# Altium PCB 平衡车驱动板.PcbDoc (continued)
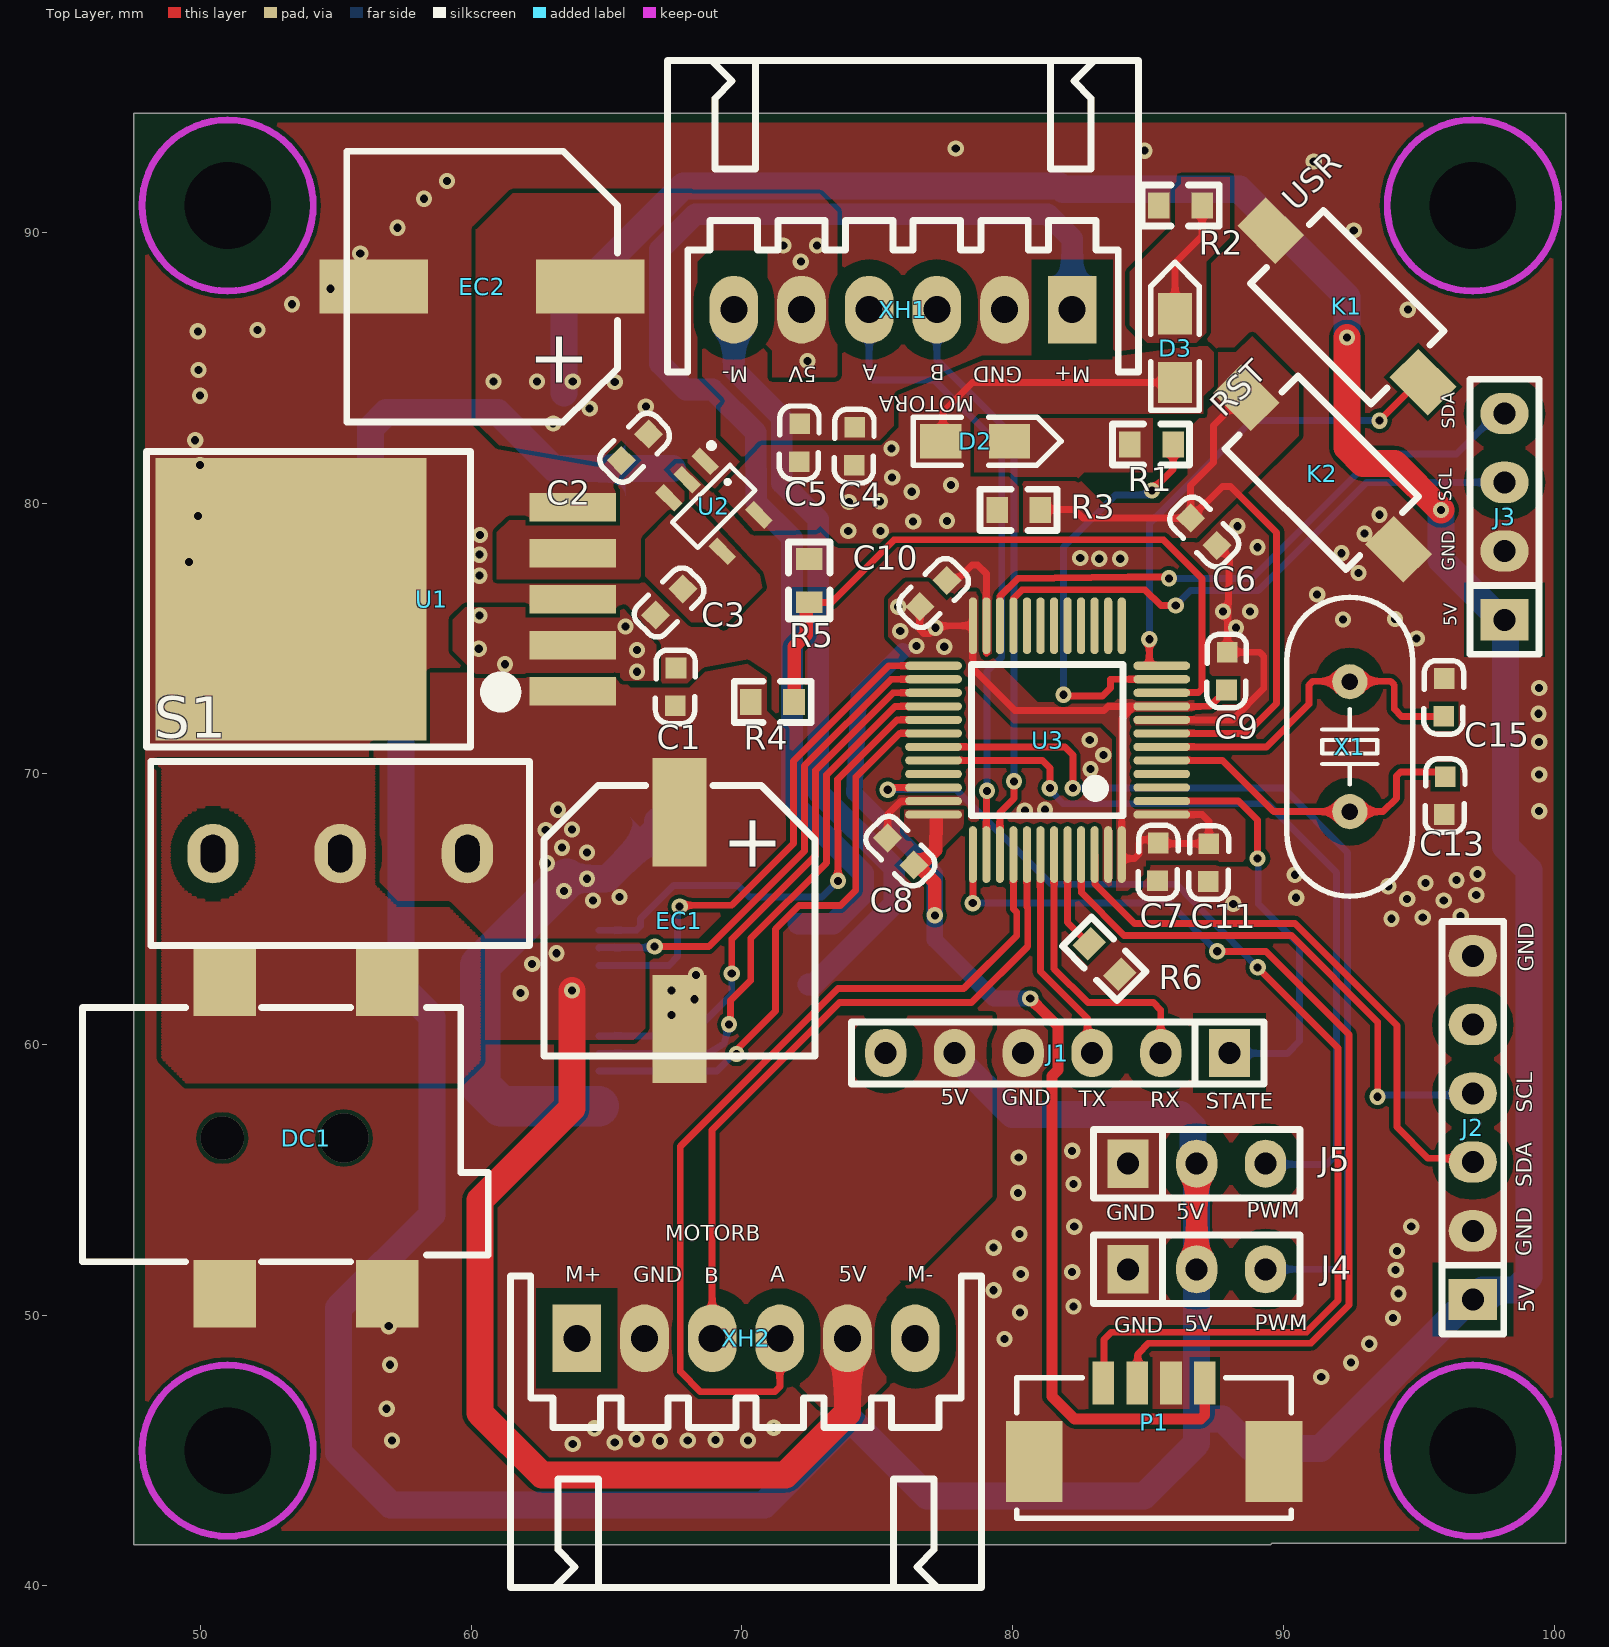
[diagram p0: Top Layer view]
## Footprints (in the part's own frame and the unit in brackets; to place one, negate y for a bottom-side part, rotate by r counter-clockwise, add the part's x,y. Pads: shape width x height; smd on the part's side, far side on the other; paste and mask are expansions set on the pad) (continued)
"OSC HC-49S" [mm]
  round 1.3 hole 0.6: 1(-2.4,0) 2(2.4,0)
  silkscreen extent -5.52,-2.32 5.52,2.33, body extent -5.53,-2.29 5.53,2.36, height 4.13
"Pin HDR1X3/2.54mm-S" [mil]
  rect 70x60 hole 32: 1(0,0)
  oval 70x60 hole 32: 2(0,-100) 3(0,-200)
  silkscreen extent -50,-250 50,50, body extent -50,-250 50,50, height 336
SMD-3X6X2.5 [mm]
  rect 2x1.5 smd: 1(-0.059,-0.02) 3(7.874,0)
  silkscreen extent 0.73,-1.9 7.03,1.9, body extent -0.19,-1.78 7.81,1.72, height 2.59
SMD-EC10X10X10 [mm]
  rect 4x2 smd: 1(8,0) 2(0,0)
  silkscreen extent -1,-5 9,5, body extent -1.86,-5.12 9.74,5.18, height 10.2
SOD-123 [mm] "塑封二极管"
  rect 0.8x1 smd: A(-0.051,0) K(3.607,0)
  silkscreen extent 0.38,-0.85 3.18,0.85, body extent -0.12,-0.89 3.73,0.81, height 1.43
SOT23-5L [mm]
  rect 0.45x1 smd: 1(-0.95,-1.4) 2(0,-1.4) 3(0.95,-1.4) 4(0.95,1.4) 5(-0.95,1.4)
  silkscreen extent -1.6,-1.73 1.5,0.66, body extent -1.5,-1.4 1.5,1.4, height 1.15
SS-12D10 [mm]
  oval 1.9x2.2 hole 1.4 slot 0.9 at 0 deg: 1(-4.7,0) 2(0,0) 3(4.699,0)
  silkscreen extent -7,-3.4 7,3.4, body extent -6.95,-3.15 7.05,3.05, height 9.65
TAJ-B/3528 [mil]
  rect 78.74x100 smd: 1(-51.15,-4) 2(57,-4)
  silkscreen extent -110,-70 115,65, body extent -64,-60 74,50, height 75
TB6612-SSOP-24 [mm]
  oval 0.308x1.324 smd mask+0.051: 1(-3.575,-3.562) 2(-2.925,-3.562) 3(-2.275,-3.562) 4(-1.625,-3.562) 5(-0.975,-3.562) 6(-0.325,-3.562) 7(0.325,-3.562) 8(0.975,-3.562) 9(1.625,-3.562) 10(2.275,-3.562) 11(2.925,-3.562) 12(3.575,-3.562) 13(3.575,3.562) 14(2.925,3.562) 15(2.275,3.562) 16(1.625,3.562) 17(0.975,3.562) 18(0.325,3.562) 19(-0.325,3.562) 20(-0.975,3.562) 21(-1.625,3.562) 22(-2.275,3.562) 23(-2.925,3.562) 24(-3.575,3.562)
  silkscreen extent -4.33,-3.71 3.94,2.67
TO263-5A [mm] "263，5脚晶体管"
  rect 1.05x3.2 smd: 1(-3.4,0) 2(-1.7,0) 3(0,0) 4(1.7,0) 5(3.4,0)
  rect 10.45x10 smd: 3(0,10.414)
  silkscreen extent -5.46,2.29 5.46,15.75, body extent -5.05,0.45 4.95,13.78, height 4.5
XH6/2.54mm/90 [mm]
  rect 1.8x2.5 hole 1: 1(0,0)
  oval 1.8x2.5 hole 1: 2(2.5,0) 3(5,0) 4(7.5,0) 5(10,0) 6(12.5,0)
  silkscreen extent -2.45,-9.2 14.95,2.3, body extent -2.45,-9.2 14.95,2.3, height 6.1

## Part data
C1 C2 C3 C4 C5 C6 C7 C8 C9 C10 C11 C12 C13 C14 C15: library part CAP, "无极性电容"
D1: library part "DIODE SCHOTTKY", "肖特基二极管"
EC1 EC2: library part SMD_ECAP, "贴片电解电容"
J1 J2: library part "Female HDR1X6"
J3: library part "Female HDR1X4"
J4 J5: library part "Pin HDR1X3"
L1: library part INDUCTOR, "INDUCTOR"
P1: "MOLEX_0532610471,4Pin,1.25mm"
R1 R2 R3 R4 R5 R6: library part RES
TC1: library part TCAP, "钽电容"
U1: "DC降压芯片"
U2: "5Vת3.3V"
U4: "双电机驱动"
X1: library part XTAL-2P, "2脚无源脚晶振"
XH1 XH2: library part XH6

## Free pads (board coordinates)
  round 3 hole 3.2 unplated mask+1: ""(51,45) ""(51,91) ""(97,45) ""(97,91)

## Via types
v1: diameter 0.6, hole 0.3, Top Layer to Bottom Layer, tented both sides, 169 vias
v2: diameter 0.61, hole 0.305, Top Layer to Bottom Layer, tented both sides, 2 vias
v3: diameter 1.8, hole 1.8, Top Layer to Bottom Layer, 1 vias
v4: diameter 1.6, hole 1.6, Top Layer to Bottom Layer, 1 vias

## Nets (pads, with @x,y where several pads share a name; then routed paths per layer and width w, separated by ;. In a path a pad name is that pad's centre, name@x,y a point inside that pad or via, vN(x,y) a via of type N, cw(c..) or ccw(c..) an arc to the next point about the centre after c; other vN are vias at no path point)
3V3: C4.2 C5.2 C7.2 C8.2 C9.2 C10.2 C11.2 D2.A D3.A P1.1 R3.1 U2.5 U3.1 U3.9 U3.24 U3.36 U3.48 | length 81.9
  Top Layer w0.254: C10.2 76.569,75.327 76.718,75.178 76.928,75.178 77.076,75.326 77.224,75.474 U3.24 78.53,73.895 80.079,72.346 83.37,72.346 83.521,72.497 U3.9 ; D2.A 77.425,82.378 77.425,83.375 77.55,83.5 78.51,84.46 D3.A ; U3.1 87.003,68.497 87.25,68.25 C11.2 85.397,67.425 C7.2 85.248,67.574 84.813,67.574 84.664,67.425 84.664,67.039 84.5,66.875 84.051,66.875 84.03,66.896 U3.48 84.03,72.027 84.492,72.488 85.498,72.488 U3.9 ; C9.2 87.3,72.5 86.945,72.5 86.933,72.488 85.516,72.488 U3.9
  Top Layer w0.4: v1(80.65,61.7) 81.675,60.675 81.675,59.06 81.45,58.835 81.45,47 82.28,46.17 86.951,46.17 87.1,46.319 P1.1
  Top Layer w0.5: v1(77.125,64.775) 77.125,65.991 76.482,66.634 76.609,66.634 77.157,67.182 77.175,68.3
  Bottom Layer w0.6: 75.942,74.533 74.317,72.908 74.15,69.3 77.125,66.325 v1(77.125,64.775) 77.125,63.875 79.3,61.7 v1(80.65,61.7)
  other v1: 77.475,74.7 76.45,74.725 75.85,75.275 77.15,75.4 75.775,76.175 73.925,78.975 75.125,78.975 76.325,79.325 77.575,79.35 73.95,80.05 75.1,80.075 76.275,80.425 77.725,80.675 75.55,80.95 75.525,82.025
5V: C2.2 C14.2 EC2.1 J1.5 J2.1 J3.1 J4.2 J5.2 L1.2 U1.4 U2.1 U2.3 U4.19 U4.20 XH1.5 XH2.5 | length 243.1
  Top Layer w0.8: J4.2 J5.2
  Top Layer w1: v1(63.725,62) 63.725,57.65 60.325,54.25 60.325,46.386 62.611,44.1 71.6,44.1 73.9,46.4 XH2.5 ; v1(92.35,86.125) 92.35,82.061 92.936,81.475 94.1,81.475 v1(95.825,79.75)
  Bottom Layer w1: 63.425,84.075 63.425,87.313 67.839,91.727 81.736,91.727 81.863,91.6 88.375,91.6 92.35,87.625 v1(92.35,86.125) ; L1.2 63.059,81.28 60.989,83.35 56.861,83.35 56.275,82.764 56.275,78.425 56.25,78.4 56.25,73 57.4,71.85 57.4,62.175 58.55,61.025 58.55,53.725 55.1,50.275 55.1,44.925 57.025,43 70.825,43 73.9,46.075 73.9,46.261 ; XH2.5 73.9,46.261 ; J1.5 77.851,59.563 79.989,57.425 86.193,57.425 86.661,56.956 86.661,55.739 J5.2 J4.2 86.8,46.17 ; v1(95.825,79.75) 95.825,77.911 98.044,75.692 J3.1 98.2,75.663 98.2,67.325 99.072,66.453 99.072,51.411 98.603,50.942 97.362,50.942 J2.1 96.873,50.58 91.368,45.075 88.85,45.075 87.755,46.17 86.8,46.17 ; 73.9,46.261 76.836,43.325 84.85,43.325 86.8,45.275 86.8,46.17
  other v1: 61.825,61.9 62.25,62.975 63.15,63.375 63.025,82.95 64.375,83.5 66.45,83.575 65.3,84.475 60.825,84.5 62.425,84.5 63.75,84.5 72.425,85.25 72.175,88.925 71.525,89.525 72.775,89.525
12V: C1.2 C12.2 EC1.1 R4.2 S1.1 TC1.1 U1.1 U4.13 U4.14 U4.24 | length 18
  Bottom Layer w1: 63.529,66.129 65.023,66.129 66.876,67.982 TC1.1
  Bottom Layer w1.5: 63.529,66.129 60.325,62.925 60.325,58.5 61.1,57.725 U4.13
  other v1: 64.5,65.325 65.475,65.45 63.425,65.675 64.276,66.129 62.8,66.7 64.275,67.1 63.35,67.275 62.75,67.925 63.725,67.95 63.2,68.675
ADC1: R4.1 R5.2 U3.10 | length 25.6
  Top Layer w0.254: R5.2 73.306,76.338 75.619,78.65 85.575,78.65 87,77.225 87,73.146 86.86,73.006 85.516,73.006 U3.10
  Top Layer w0.5: R4.1 71.925,74.7 72.375,75.15 72.375,76.225 R5.2
AIN1: U3.25 U4.21 | length 19.8
  Top Layer w0.254: v1(67.7,65.1) 67.75,65.15 69.625,65.15 71.9,67.425 71.9,70.472 75.425,73.997 U3.25
  Bottom Layer w0.254: U4.21 67.3,62.925 67.625,63.25 67.625,65.025 v1(67.7,65.1)
AIN2: U3.26 U4.22 | length 18.3
  Top Layer w0.254: v1(66.775,63.625) 68.775,63.625 72.306,67.156 72.306,70.304 75.499,73.497 U3.26
  Bottom Layer w0.254: U4.22 64.723,63.585 66.735,63.585 v1(66.775,63.625)
BIN1: U3.27 U4.17 | length 20.6
  Top Layer w0.254: v1(69.625,62.625) 69.625,63.901 72.712,66.988 72.712,70.135 75.574,72.997 U3.27
  Bottom Layer w0.254: U4.17 68.075,60.325 69.625,61.875 v1(69.625,62.625)
BIN2: U3.28 U4.16 | length 21.2
  Top Layer w0.254: v1(69.525,60.75) 69.575,60.8 69.575,61.625 70.325,62.375 70.325,63.925 73.118,66.718 73.118,69.967 75.648,72.497 U3.28
  Bottom Layer w0.254: U4.16 68.741,59.675 69.345,60.035 v1(69.525,60.75)
GND: C1.1 C2.1 C3.1 C4.1 C5.1 C6.1 C7.1 C8.1 C9.1 C10.1 C11.1 C12.1 C13.1 C14.1 C15.1 D1.A DC1.2 DC1.3 EC1.2 EC2.2 J1.4 J2.2 J2.6 J3.2 J4.1 J5.1 K1.3 K2.3 P1.2 P1.SH R2.2 R5.1 R6.2 TC1.2 U1.3 U1.5 U2.2 U3.8 U3.23 U3.35 U3.47 U4.3 U4.4 U4.9 U4.10 U4.18 XH1.2 XH2.2 | length 18.9
  Top Layer w0.254: C8.1 75.385,68.507 75.866,68.988 77.07,68.988 U3.35 ; C10.1 77.934,77.15 78.499,77.715 78.71,77.715 79.03,77.395 U3.23 79.039,75.465 U3.23@79.039,74.459 ; U3.8 88.122,71.997 89.275,73.15 89.275,74.348 89.126,74.497 C9.1 88.012,77.977 C6.1 C6.1@87.545,78.085
  other v1: 63.75,45.25 65.3,45.3 66.975,45.35 57.075,45.375 68,45.375 70.225,45.375 69.025,45.4 66.1,45.425 64.55,45.825 71.175,45.85 56.875,46.55 91.4,47.725 57,48.175 92.5,48.25 93.175,48.95 79.7,49.125 56.95,49.6 94.05,49.9 80.275,50.1 82.25,50.325 94.25,50.8 79.3,50.925 80.3,51.525 82.2,51.6 94.15,51.675 94.2,52.375 79.3,52.5 80.25,53 82.275,53.275 94.725,53.275 80.2,54.525 82.25,54.85 80.225,55.825 82.2,56.075 67.4,61.1 68.25,61.675 67.4,62 68.3,62.575 94,64.65 95.15,64.7 96.55,64.75 88.15,65.2 95.925,65.325 94.575,65.375 90.475,65.425 97.125,65.525 93.875,65.85 95.25,65.975 96.4,66.075 90.425,66.275 97.175,66.3 99.45,68.625 80.45,68.65 81.2,68.675 99.45,69.975 82.875,70.175 83.35,70.7 99.45,71.175 82.85,71.25 99.425,72.225 99.45,73.175 94.925,75 88.25,75.4 92.2,75.7 94.125,75.725 87.775,76 88.775,76 91.25,76.625 60.3,77.325 92.775,77.425 49.575,77.825 83.2,77.95 83.975,77.95 82.5,77.975 60.3,78.1 92.15,78.15 89.05,78.375 60.325,78.825 93,78.875 88.3,79.15 49.9,79.525 93.55,79.575 49.978,81.407 49.8,82.325 49.975,83.975 49.925,84.925 49.9,86.35 52.1,86.4 94.6,87.15 53.375,87.35 54.8,87.925 55.9,89.225 92.6,90.075 57.275,90.175 58.25,91.25 59.1,91.9 91.125,92.625 84.875,93.025 77.9,93.1
I2C1_SCL: J2.4 U3.45 | length 20.7
  Top Layer w0.254: U3.45 82.539,67.011 82.539,65.611 84.12,64.03 90.296,64.03 93.488,60.838 93.488,58.113 93.475,58.1 v1(93.475,58.075)
  Bottom Layer w0.254: v1(93.475,58.075) 93.538,58.138 96.937,58.138 J2.4
I2C1_SDA: J2.3 U3.46 | length 21.5
  Top Layer w0.254: U3.46 83.039,67.011 83.039,65.936 84.5,64.475 90.425,64.475 94.2,60.7 94.2,56.95 95.35,55.8 96.86,55.8 J2.3
I2C2_SCL: J3.3 U3.21 | length 21.4
  Top Layer w0.254: U3.21 80.039,75.483 80.039,76.489 80.352,76.803 84.897,76.803 85.475,76.225 v1(86.025,76.225)
  Bottom Layer w0.254: v1(86.025,76.225) 86.575,76.775 89.075,76.775 93.072,80.772 J3.3
I2C2_SDA: J3.4 U3.22 | length 22.5
  Top Layer w0.254: U3.22 79.539,75.483 79.539,76.564 80.2,77.224 84.262,77.275 85.725,77.275 v1(85.775,77.225)
  Bottom Layer w0.254: v1(85.775,77.225) 88.834,77.225 93.434,81.825 96.4,81.825 97.887,83.312 J3.4
KEY: K1.1 U3.12 | length 18
  Top Layer w0.254: v1(85.05,74.975) 85.05,74.018 85.071,73.997 U3.12 ; v1(93.55,83.05) 94.973,84.473 K1.1
  Bottom Layer w0.254: v1(85.05,74.975) 85.05,79.25 88.85,83.05 v1(93.55,83.05)
LED: R1.2 U3.11 | length 15.8
  Top Layer w0.254: v1(81.875,72.925) 81.925,72.875 83.325,72.875 83.622,73.172 83.622,73.497 U3.11 ; v1(85.15,80.475) 85.928,81.253 R1.2
  Bottom Layer w0.254: v1(81.875,72.925) 81.875,78.375 83.806,80.306 85.075,80.306 85.15,80.381 v1(85.15,80.475)
MOAN: U4.5 U4.6 XH1.6 | length 28.8
  Bottom Layer w0.8: XH1.6 69.7,84.95 71.475,83.175 71.475,80.75 72.825,79.4 72.825,69.326 75.625,66.526 75.625,65.207 72.638,62.219 U4.5@72.447,62.219
MOAP: U4.1 U4.2 XH1.1 | length 49.1
  Bottom Layer w0.8: 72.083,64.471 73.375,64.471 74.475,65.571 74.475,66.33 71.85,68.955 71.85,78.7 70.523,80.027 70.506,82.619 68.925,84.2 67.925,84.2 66.975,85.15 66.975,89.375 68.275,90.675 81.3,90.675 82.2,89.775 XH1.1
MOBN: U4.7 U4.8 XH2.6
MOBP: U4.11 U4.12 XH2.1
NetC3_2: C3.2 U2.4
NetD1_K: D1.K L1.1 U1.2
  other v1: 66.125,73.775 61.25,74.05 66.125,74.575 60.275,74.625 65.7,75.45 60.3,75.85
NetD2_K: D2.K R1.1
NetD3_K: D3.K R2.1 | length 4.4
  Top Layer w0.254: D3.K 86,88.875 87,89.875 R2.1
NetR6_1: R6.1 U3.44 | length 3.6
  Top Layer w0.254: U3.44 82.03,64.52 R6.1
NRST: C6.2 K2.1 R3.2 U3.7 | length 26.5
  Top Layer w0.254: R3.2 81.045,79.775 82.275,79.775 82.6,79.45 C6.2 ; U3.7 88.647,71.497 89.75,72.6 89.75,78.925 88.05,80.625 87.75,80.625 C6.2 ; C6.2@86.55,79.425 C6.2 ; K2.1 88.445,83.895 87.425,82.875 87.425,81.5 86.575,80.65 C6.2
OSC_IN: C13.2 U3.5 X1.2 | length 12.4
  Top Layer w0.254: U3.5 87.753,70.497 89.644,68.606 X1.2 93.681,68.606 94.175,69.1 94.175,69.926 94.324,70.075 95.797,70.075 C13.2
OSC_OUT: C15.2 U3.6 X1.1 | length 12.9
  Top Layer w0.254: U3.6 89.372,70.997 90.95,72.575 90.95,73.276 91.099,73.425 93.951,73.425 94.1,73.276 94.1,72.4 94.372,72.128 C15.2
STATE: J1.1 U3.2 | length 15.4
  Top Layer w0.254: U3.2 88.347,68.997 89.05,68.294 v1(89.05,66.875)
  Bottom Layer w0.254: J1.1 88.026,59.675 90.15,59.675 90.6,60.125 90.6,63.675 89.075,65.2 89.075,66.85 v1(89.05,66.875)
SWCLK: P1.3 U3.37 | length 37.3
  Top Layer w0.254: v1(78.525,65.225) 78.525,65.25 78.53,65.255 U3.37 ; P1.3 84.625,47.525 84.625,48.575 85.019,48.969 91.018,48.969 92.431,50.382 92.431,60.369 89.354,63.446 v2(87.554,63.446)
  Bottom Layer w0.254: v1(78.525,65.225) 85.775,65.225 v2(87.554,63.446)
SWDIO: P1.4 U3.34 | length 42.6
  Top Layer w0.254: v1(75.385,69.415) 75.481,69.415 75.563,69.497 U3.34 U3.34@77.081,69.5 ; P1.4 83.375,47.525 83.375,49.1 83.65,49.375 90.85,49.375 92.025,50.55 92.025,59.875 v2(89.05,62.85)
  Bottom Layer w0.254: v1@75.325,69.475 v1(75.385,69.415) 77.935,69.415 81.425,65.925 86.057,65.925 v2(89.05,62.85)
TIM1_CH1: U3.29 U4.23 | length 18.3
  Top Layer w0.254: v1(73.55,66.05) 73.527,69.802 75.722,71.997 U3.29
  Bottom Layer w0.254: U4.23 66.1,64.225 66.25,64.375 66.25,64.65 67.475,65.875 69.85,65.875 70.275,65.45 72.95,65.45 v1(73.55,66.05)
TIM1_CH2: U3.30 U4.15 | length 21.8
  Top Layer w0.254: v1(69.803,59.653) 69.803,59.804 71.238,61.239 71.238,64.264 72.114,65.14 73.64,65.14 74.206,65.706 74.206,69.881 75.822,71.497 77.061,71.497 77.07,71.488 U3.30
  Bottom Layer w0.254: U4.15 69.075,59.025 69.703,59.653 v1(69.803,59.653)
TIM1_CH3: J4.3 U3.31 | length 35.9
  Top Layer w0.254: U3.31 81.928,70.997 82.225,70.7 v1(82.225,69.475)
  Bottom Layer w0.254: v1(82.225,69.475) 90,69.475 92.375,67.1 92.375,51.975 92.1,51.7 J4.3
TIM1_CH4: J5.3 U3.32 | length 30.3
  Top Layer w0.254: U3.32 81.103,70.497 81.375,70.225 v1(81.375,69.475)
  Bottom Layer w0.254: v1(81.375,69.475) 81.375,69.4 81.879,68.896 89.429,68.896 91.969,66.356 91.969,55.944 91.6,55.575 89.365,55.575 J5.3
TIM2_CH1: U3.38 XH1.4 | length 23.7
  Top Layer w0.254: U3.38 79.03,69.355 v1(79.05,69.375)
  Bottom Layer w0.254: XH1.4 74.7,84.7 74.85,84.55 77.1,84.55 79.6,82.05 79.6,74.325 79.05,73.775 v1(79.05,69.375)
TIM2_CH2: U3.39 XH1.3 | length 21.5
  Top Layer w0.254: U3.39 79.53,68.58 80.05,69.1 v1(80.05,69.725)
  Bottom Layer w0.254: XH1.3 77.2,85.293 80.05,82.443 v1(80.05,69.725)
TIM3_CH1: U3.40 XH2.4 | length 32.9
  Top Layer w0.254: XH2.4 71.4,47.375 71.2,47.175 68.475,47.175 67.721,47.929 67.721,56.245 73.551,62.075 78.194,62.075 80.154,64.035 80.154,64.879 80.03,65.003 U3.40
TIM3_CH2: U3.41 XH2.3 | length 25.6
  Top Layer w0.254: XH2.3 68.9,56.85 73.6,61.55 78.476,61.55 80.56,63.634 80.56,65.047 80.53,65.077 U3.41
UART1_RX: J1.2 U3.43 | length 10.4
  Top Layer w0.254: U3.43 81.53,62.801 82.781,61.55 85.2,61.55 85.471,61.279 J1.2
UART1_TX: J1.3 U3.42 | length 8.1
  Top Layer w0.254: U3.42 81.025,67.015 81.025,62.7 82.765,60.96 82.765,59.856 J1.3
VIN: DC1.1 S1.2
pads on no net: J1.6 J2.5 S1.3 U3.3 U3.4 U3.13 U3.14 U3.15 U3.16 U3.17 U3.18 U3.19 U3.20 U3.33
copper on no net:
  other v3: 55.296,56.55
  other v4: 50.796,56.55

## Polygon pours and split planes (outlines as drawn)
GND on Top Layer "Top Layer-GND" (solid, remove dead copper, pour order 76): 47.95,42.025 47.95,94.05 99.875,94.05 100.075,93.85 99.975,93.75 99.975,42.05 47.975,42.05
VIN on Top Layer "Top Layer-VIN" (hatched Horizontal grid 0.102 track 0.127, remove dead copper, pour order 0): 48.4,70.4 48.6,70.2 48.6,59.5 49.5,58.6 59.5,58.6 60.3,59.4 60.3,63.9 59.1,65.1 57.2,65.1 56.4,65.9 56.4,70.4
3V3 on Top Layer "Top Layer-3V3" (solid, remove dead copper, pour order 22): 86.7,72.75 86.7,72.25 84.5,72.25 84.47,72.22 84.47,66.445 84.145,66.12 83.825,66.12 83.825,71.35 83.3,71.875 80.025,71.875 78.3,73.6 76.521,73.744 76.485,73.99 75.4,75.075 75.4,76.45 76.047,77.097 77.161,77.097 77.844,76.414 78.156,76.725 78.65,76.725 78.65,76.65 79.039,76.261 79.039,74.459 79.116,74.459 80.925,72.65 83.75,72.65 83.875,72.775 83.9,72.75
3V3 on Top Layer "Top Layer-3V3 1" (solid, remove dead copper, pour order 4): 83.825,65.675 83.825,68.725 88.2,68.725 88.6,68.325 88.6,66.75 87.631,66.75 87.574,66.807 84.922,66.807 84.922,66.371 84.639,66.088 84.639,65.796 84.371,65.796 84.25,65.675
3V3 on Top Layer "Top Layer-3V3 2" (solid, remove dead copper, pour order 14): 82.726,85.29 86.575,85.8 87.2,85.8 87.425,85.575 87.425,84.325 87.05,83.95 87.05,83.3 78.725,83.3 78.425,83 78.425,80.975 79.85,80.975 80.225,80.6 80.225,78.725 79.95,78.45 79.875,78.525 73.55,78.525 72.9,79.175 72.75,79.025 70.455,78.968 69.126,80.449 70.725,82.15 75.15,82.15 75.8,82.8 75.8,84 78.921,85.29
12V on Top Layer "Top Layer-12V" (solid, remove dead copper, pour order 60): 56.4,70.4 56.463,70.337 56.463,65.837 57.2,65.1 59.283,65.1 60.458,63.925 68.4,63.925 69.95,65.475 72.225,67.75 71.6,68.375 71.6,71.65 70.925,72.325 70.925,73.575 70.187,74.063 68.65,73.775 68.05,73.175 65.9,73.175 65.344,73.731 58.331,73.731 56.4,71.8
5V on Top Layer "Top Layer-5V" (solid, remove dead copper, pour order 52): 79.25,61.075 79.25,54.375 76.175,51.3 75.8,51.3 75.875,51.225 75.325,50.675 75.325,47.5 74.45,46.625 72.875,46.625 69.125,50.375 69.125,56.7 73.5,61.075
5V on Top Layer "Top Layer-5V 1" (solid, remove dead copper, pour order 68): 60.3,60.35 60.3,63.9 60.325,63.925 66.05,63.925 66.425,63.55 66.425,60.6 66,60.175 60.475,60.175
3V3 on Top Layer "Top Layer-3V3 3" (solid, remove dead copper, pour order 54): 76,68.675 78.2,68.675 78.2,68.15 78.162,68.013 77.332,67.182 76.813,67.182 76.32,67.675 76.175,67.675 76,67.85
5V on Top Layer "Top Layer-5V 2" (solid, remove dead copper, pour order 50): 60.95,77.2 66.325,77.2 66.425,77.3 66.425,78.908 66.542,79.025 66.425,79.142 66.425,80.075 65.637,80.862 65.3,80.525 65.3,79.875 64.8,79.375 61.4,79.375 60.95,78.925 60.95,78.9
5V on Top Layer "Top Layer-5V 3" (solid, remove dead copper, pour order 44): 73.525,84.725 73.45,84.65 71.125,84.65 71.125,85.625 70.775,85.975 70.95,86.15 70.95,89.35 68.775,89.35 66.375,86.95 61.65,86.95 61.65,90.35 62.725,91.425 72.875,91.425 73.525,90.775
5V on Top Layer "Top Layer-5V 4" (solid, remove dead copper, pour order 42): 69.025,82.425 70.128,81.322 70.128,80.874 69.363,80.288 68.889,80.611 68,81.5 68,81.65 67.5,81.65 67.087,81.237 67.875,80.45 67.875,79.855 66.695,78.675 66.425,78.675 66.425,79.651 65.266,81.41 61.027,82.148 60.175,83 60.175,90.125 60.2,90.125 61.525,91.45 68.15,91.45 68.15,89.375 68.35,89.175 68.35,84.625 69.2,83.775 69.025,83.6
NetD1_K on Top Layer "Top Layer-NetD1_K" (solid, remove dead copper, pour order 26): 59.775,76.15 65.59,76.15 66.827,74.773 66.827,73.508 66.77,73.45 65.625,73.45 65.3,73.775 65.225,73.7 60.175,73.7 59.325,74.55 59.325,75.7
NetC3_2 on Top Layer "Top Layer-NetC3_2" (solid, remove dead copper, pour order 24): 68.539,79.636 70.65,77.35 70.75,76.875 69.325,75.45 69.175,75.6 68.125,75.6 66.425,77.3 66.425,78.675 67.875,80.125 68.364,79.636
NRST on Top Layer "Top Layer-NRST" (solid, remove dead copper, pour order 20): 80.083,80.975 80.083,80.742 80.225,80.6 80.225,78.725 86.75,78.725 86.775,78.7 87.65,79.575 90.575,82.5 90.575,84.45 88.85,86.175 88.25,85.575 87.425,85.575 87.425,83.675 86.475,82.725 86.475,81.05 85.425,80 83.35,80 82.375,80.975
NetD2_K on Top Layer "Top Layer-NetD2_K" (solid, remove dead copper, pour order 16): 78.725,83.3 85.075,83.3 85.175,83.2 85.175,81.15 82.65,81.15 82.425,80.925 82.375,80.975 78.425,80.975 78.425,83
NetD3_K on Top Layer "Top Layer-NetD3_K" (solid, remove dead copper, pour order 12): 86.225,92.05 88.025,92.05 88.025,89.8 87.15,88.925 87.15,86.3 86.775,85.925 84.975,85.925 84.325,86.575 84.325,88.55 86,90.225 86,91.575 86.225,91.8
12V on Bottom Layer "12V_L02_P072" (solid, remove dead copper, pour order 72): 58.327,58.256 57.592,67.067 57.875,67.35 57.875,70.75 61.04,70.75 62.35,69.44 62.489,69.579 68.093,69.579 68.251,69.42 68.251,66.829 68.029,66.829 65.775,64.575 65.475,64.875 61.6,64.875 60.323,58.256
GND on Bottom Layer "Bottom Layer-GND" (solid, remove dead copper, pour order 74): 47.925,42 47.95,42.025 47.95,94.05 99.875,94.05 100.075,93.85 100.075,41.75 48.025,41.75 47.875,41.9
VIN on Bottom Layer "Bottom Layer-VIN" (hatched Horizontal grid 0.102 track 0.127, remove dead copper, pour order 2): 48.4,70.4 48.6,70.2 48.6,59.5 49.5,58.6 57.55,58.6 57.55,64.75 57.2,65.1 56.4,65.9 56.4,70.4
5V on Bottom Layer "Bottom Layer-5V 4" (solid, remove dead copper, pour order 80): 73.764,51.469 74.548,51.469 75.642,50.375 75.642,48.242 75.15,47.751 75.15,45.941 77.108,43.983 84.678,43.983 86.142,45.447 86.113,45.477 86.113,50.886 85.426,51.573 85.61,51.757 85.61,53.78 86.113,54.283 85.61,54.786 85.61,56.885 86.45,57.725 86.823,57.725 87.771,56.776 87.771,55.189 88.133,54.827 88.133,50.903 88.15,50.886 87.458,50.193 87.458,47.397 89.122,45.733 91.096,45.733 95.511,50.148 95.511,51.942 98.051,51.942 98.193,51.8 100.15,51.8 100.15,42.225 99.975,42.05 53.006,42.05 53.006,47.494 52.725,47.775 52.85,47.9 55.825,47.9 55.825,45.13 57.297,43.658 70.553,43.658 73.242,46.347 72.653,46.937 72.653,50.358
3V3 on Bottom Layer "Bottom Layer-3V3" (solid, remove dead copper, pour order 78): 71.037,84.738 71.825,83.95 71.825,80.963 73.388,79.4 73.25,79.262 73.25,69.6 73.275,69.6 75.025,67.85 79.7,67.85 80.325,68.475 80.325,83.175 76.225,83.175 74.713,84.687 71.162,84.687
12V on Bottom Layer "Bottom Layer-12V" (solid, remove dead copper, pour order 62): 66.625,69.95 68.365,69.95 68.365,66.944 67.322,65.9 66.463,64.862 65.733,64.133 64.125,64.133 62.25,66.075 62.35,66.175 62.35,69.275 63.85,69.275 64.525,69.95
NetD1_K on Bottom Layer "Bottom Layer-NetD1_K" (solid, remove dead copper, pour order 10): 64.537,76.475 65.913,77.851 69.824,77.851 70.95,76.725 70.95,73.575 69.475,72.1 61.75,72.1 59.55,74.3 59.55,76.475
5V on Bottom Layer "Bottom Layer-5V" (solid, remove dead copper, pour order 58): 60.25,85.05 60.275,85.05 67.1,85.025 67.925,84.2 68.925,84.2 70.523,82.602 70.523,78.773 69.4,77.65 64.475,77.65 64.475,79.125 63.175,80.425 59.275,80.425 59.275,84.1 60.25,85.075
MOBP on Bottom Layer "Bottom Layer-MOBP" (solid, remove dead copper, pour order 28): 72.725,58.675 72.95,52.55 72.35,51.95 66.95,51.95 64.95,49.95 64.95,46.9 64.15,46.1 62.075,46.1 60.725,47.45 60.725,50.625 66.925,56.825 68.5,56.825 70.35,58.675
MOBN on Bottom Layer "Bottom Layer-MOBN" (solid, remove dead copper, pour order 32): 69.925,61.25 69.925,60.2 70.175,59.95 72.375,59.95 72.775,59.55 72.775,52.75 75.15,50.375 75.15,46.925 75.875,46.2 77.475,46.2 77.475,46.225 78.625,47.375 77.926,56.751 77.675,57.425 73.85,61.25 73.314,61.363 70.039,61.363
5V on Bottom Layer "Bottom Layer-5V 1" (solid, remove dead copper, pour order 66): 63.35,64.9 64.117,64.133 64.125,64.133 64.125,62.737 64.025,62.637 64.025,61.225 62.15,61.225 62.125,61.2 61.05,61.2 61.05,62.675 63.25,64.875 63.325,64.875
12V on Bottom Layer "Bottom Layer-12V 1" (solid, remove dead copper, pour order 64): 63.575,58.75 63.6,58.775 66.375,58.775 66.375,57.75 66.4,57.725 63.825,55.15 62.85,55.15 60.75,57.1 61.1,58.8 63.6,58.8 63.625,58.775
5V on Bottom Layer "Bottom Layer-5V 2" (solid, remove dead copper, pour order 56): 62.25,62.65 65.825,62.65 66.15,62.325 66.15,61.475 65.9,61.225 62.15,61.225 61.825,61.55 61.825,62.25 62.225,62.65
3V3 on Bottom Layer "Bottom Layer-3V3 1" (solid, remove dead copper, pour order 40): 73.3,82.025 75.525,82.025 76.375,81.175 76.375,81.125 78.15,81.125 78.35,80.925 78.35,78.4 77.225,78.4 76.625,77.8 76.777,77.648 76.777,76.878 76.922,76.878 78.05,75.75 78.05,74.2 77.847,73.997 75.425,73.997 75.425,75.225 73.725,76.925 73.725,78.35 73.225,78.85 73.3,78.925
5V on Bottom Layer "Bottom Layer-5V 3" (solid, remove dead copper, pour order 48): 70.95,89.35 70.95,84.825 71.125,84.65 71.162,84.687 73.487,84.687 73.487,90.287 73.5,90.3 73.45,90.35 70.925,90.35 70.925,89.375
MOAN on Bottom Layer "Bottom Layer-MOAN" (solid, remove dead copper, pour order 36): 72.291,62.644 74.235,64.678 75,64.05 73.575,61.625 73.287,61.337 70.863,61.337 70.475,61.725 70.475,62.4 70.65,62.575
MOAP on Bottom Layer "Bottom Layer-MOAP" (solid, remove dead copper, pour order 34): 70.942,65.218 74.3,65.227 74.3,64.625 73.525,63.85 70.975,63.85 70.942,63.883

## Keep-outs
Keep-Out Layer:
  circle w0.254: c97,91 r3.162
  circle w0.254: c97,45 r3.162
  circle w0.254: c51,91 r3.162
  circle w0.254: c51,45 r3.162

## Silkscreen, mask and mechanical layers (free items; w line width, h text height)
Top Overlay:
  text "USR" at 90.675,90.525 h1.5 r45
  text "A" at 74.994,85.322 h1 r180
  text "B" at 77.494,85.322 h1 r180
  text "M-" at 70.237,85.243 h1 r180
  text "5V" at 72.767,85.243 h1 r180
  text "GND" at 80.357,85.254 h1 r180
  text "M+" at 82.887,85.243 h1 r180
  text "MOTORA" at 78.575,84.15 h1 r180
  text "RST" at 88.025,82.925 h1.5 r45
  text "SDA" at 96.5,82.75 h0.8 r90
  text "SCL" at 96.395,80.079 h0.8 r90
  text "GND" at 96.5,77.5 h0.8 r90
  text "5V" at 96.575,75.45 h0.8 r90
  text "GND" at 99.45,62.7 h1 r90
  text "5V" at 77.35,57.575 h1
  text "GND" at 79.6,57.55 h1
  text "TX" at 82.45,57.525 h1
  text "RX" at 85.075,57.475 h1
  text "SCL" at 99.4,57.475 h1 r90
  text "STATE" at 87.126,57.421 h1
  text "SDA" at 99.375,54.725 h1 r90
  text "PWM" at 88.65,53.4 h1
  text "5V" at 86.05,53.35 h1
  text "GND" at 83.45,53.3 h1
  text "MOTORB" at 67.175,52.55 h1
  text "GND" at 99.375,52.175 h1 r90
  text "M+" at 63.463,51.032 h1
  text "GND" at 65.993,51.021 h1
  text "A" at 71.053,51.032 h1
  text "5V" at 73.583,51.032 h1
  text "M-" at 76.113,51.032 h1
  text "B" at 68.606,50.978 h1
  text "5V" at 99.475,50.1 h1 r90
  text "PWM" at 88.95,49.25 h1
  text "5V" at 86.35,49.2 h1
  text "GND" at 83.75,49.15 h1
Mechanical 1:
  the board outline again, w0.4

## Text inside footprints (layer, text, board x,y; h text height)
EC1: Top Overlay "+" at 69.545,68.568 h2 r270
EC2: Top Overlay "+" at 64.388,86.146 h2 r180
TC1: Bottom Overlay "+" at 64.619,68.531 h0.76 r180